# KiCad board testjig.kicad_pcb
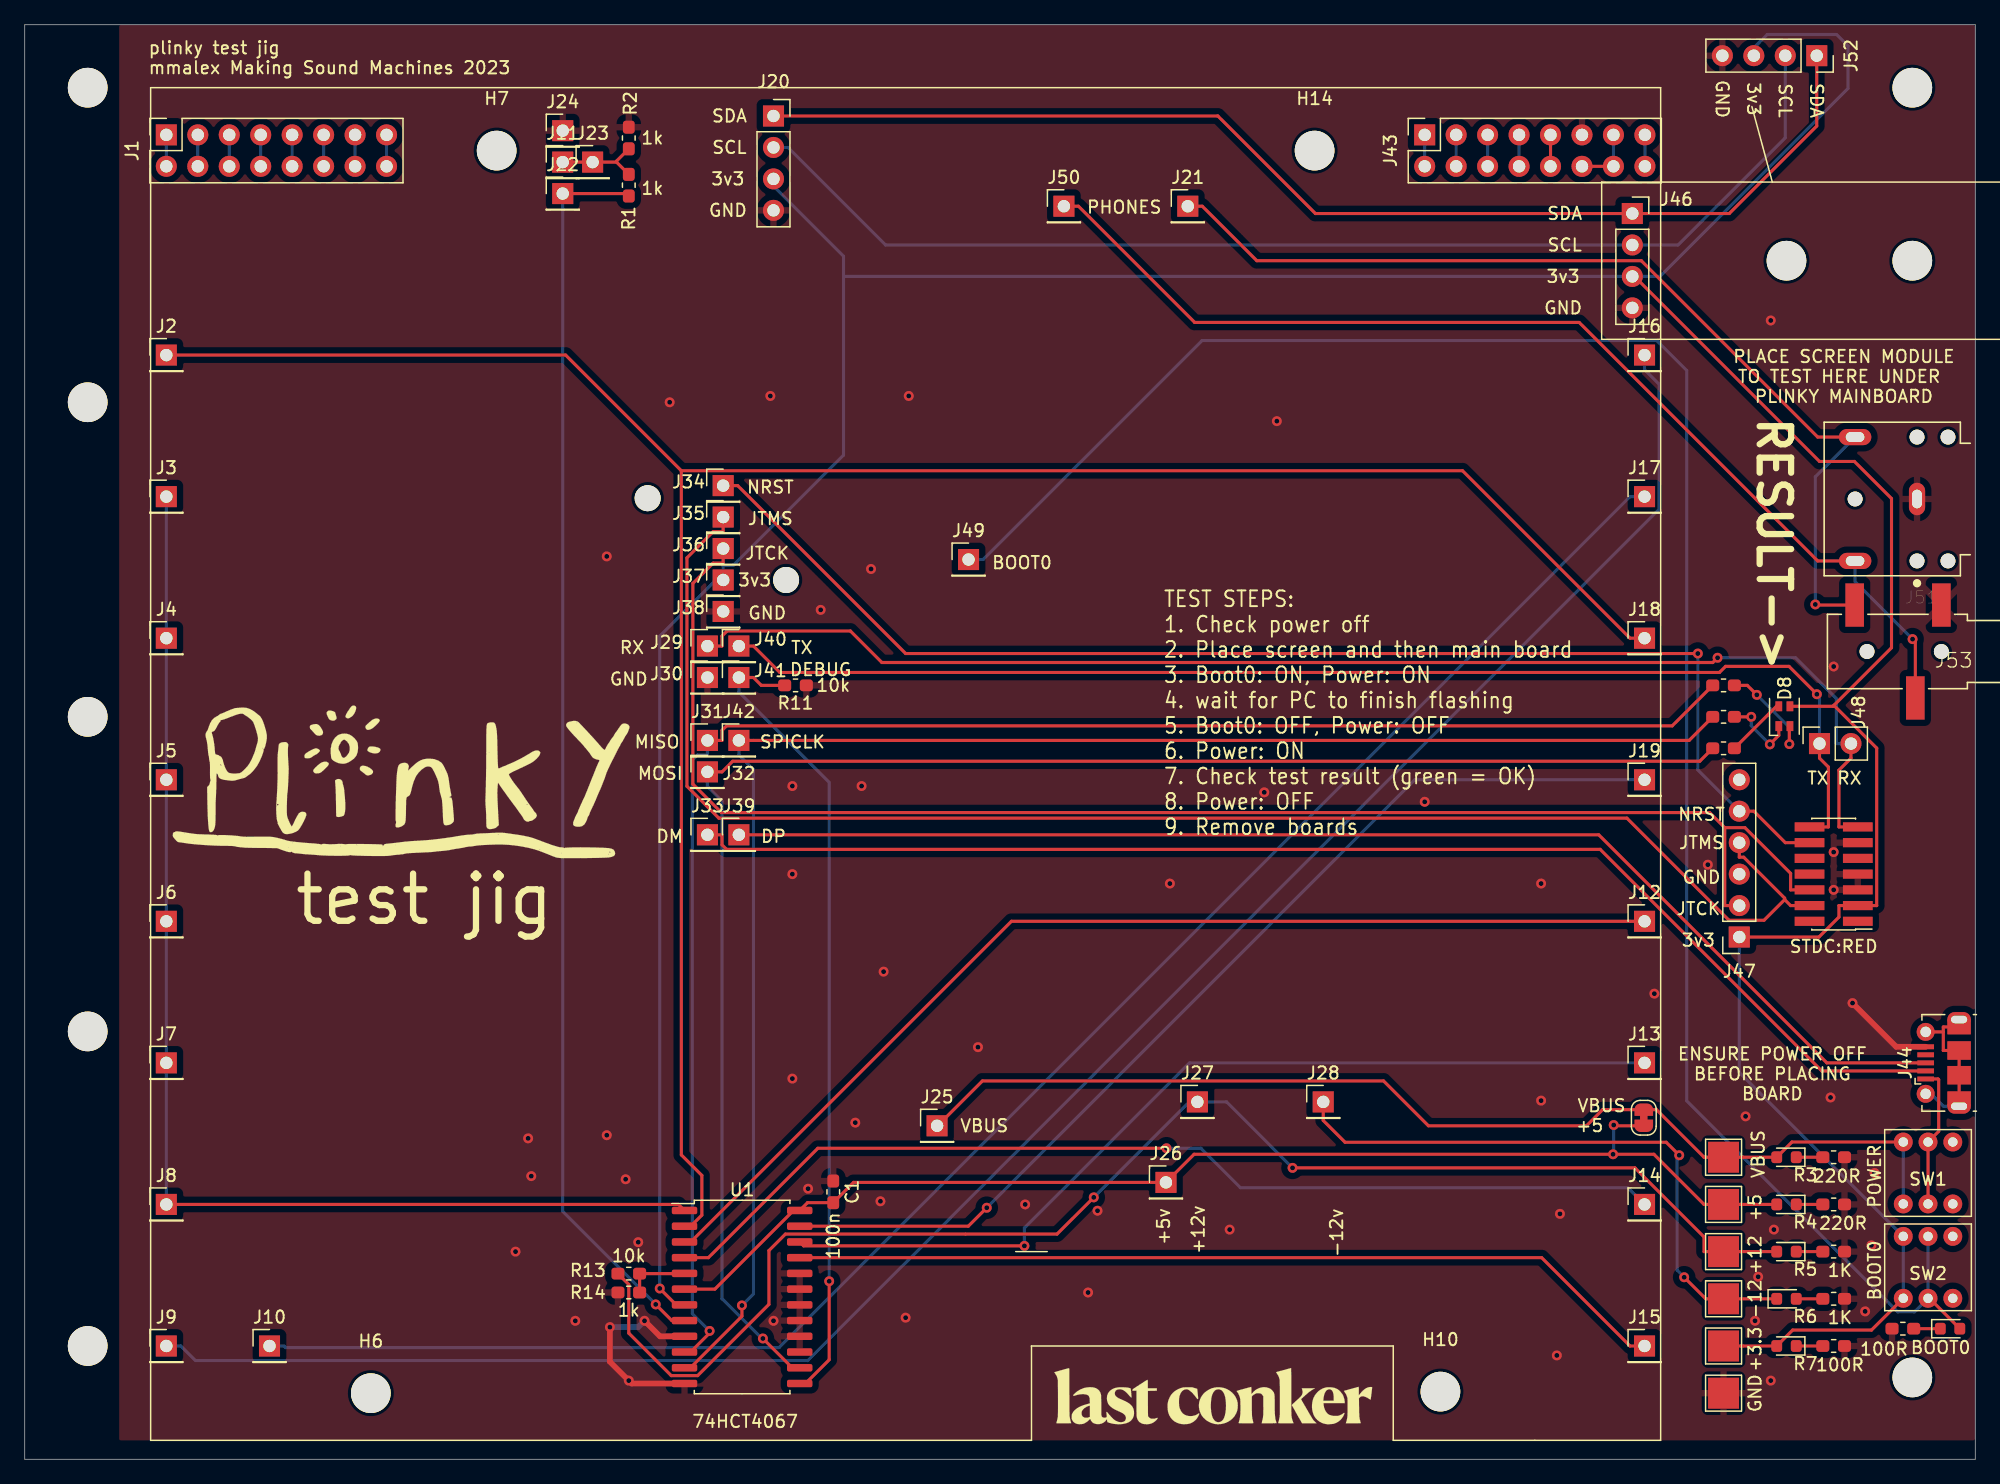
[diagram p0: board, top side]
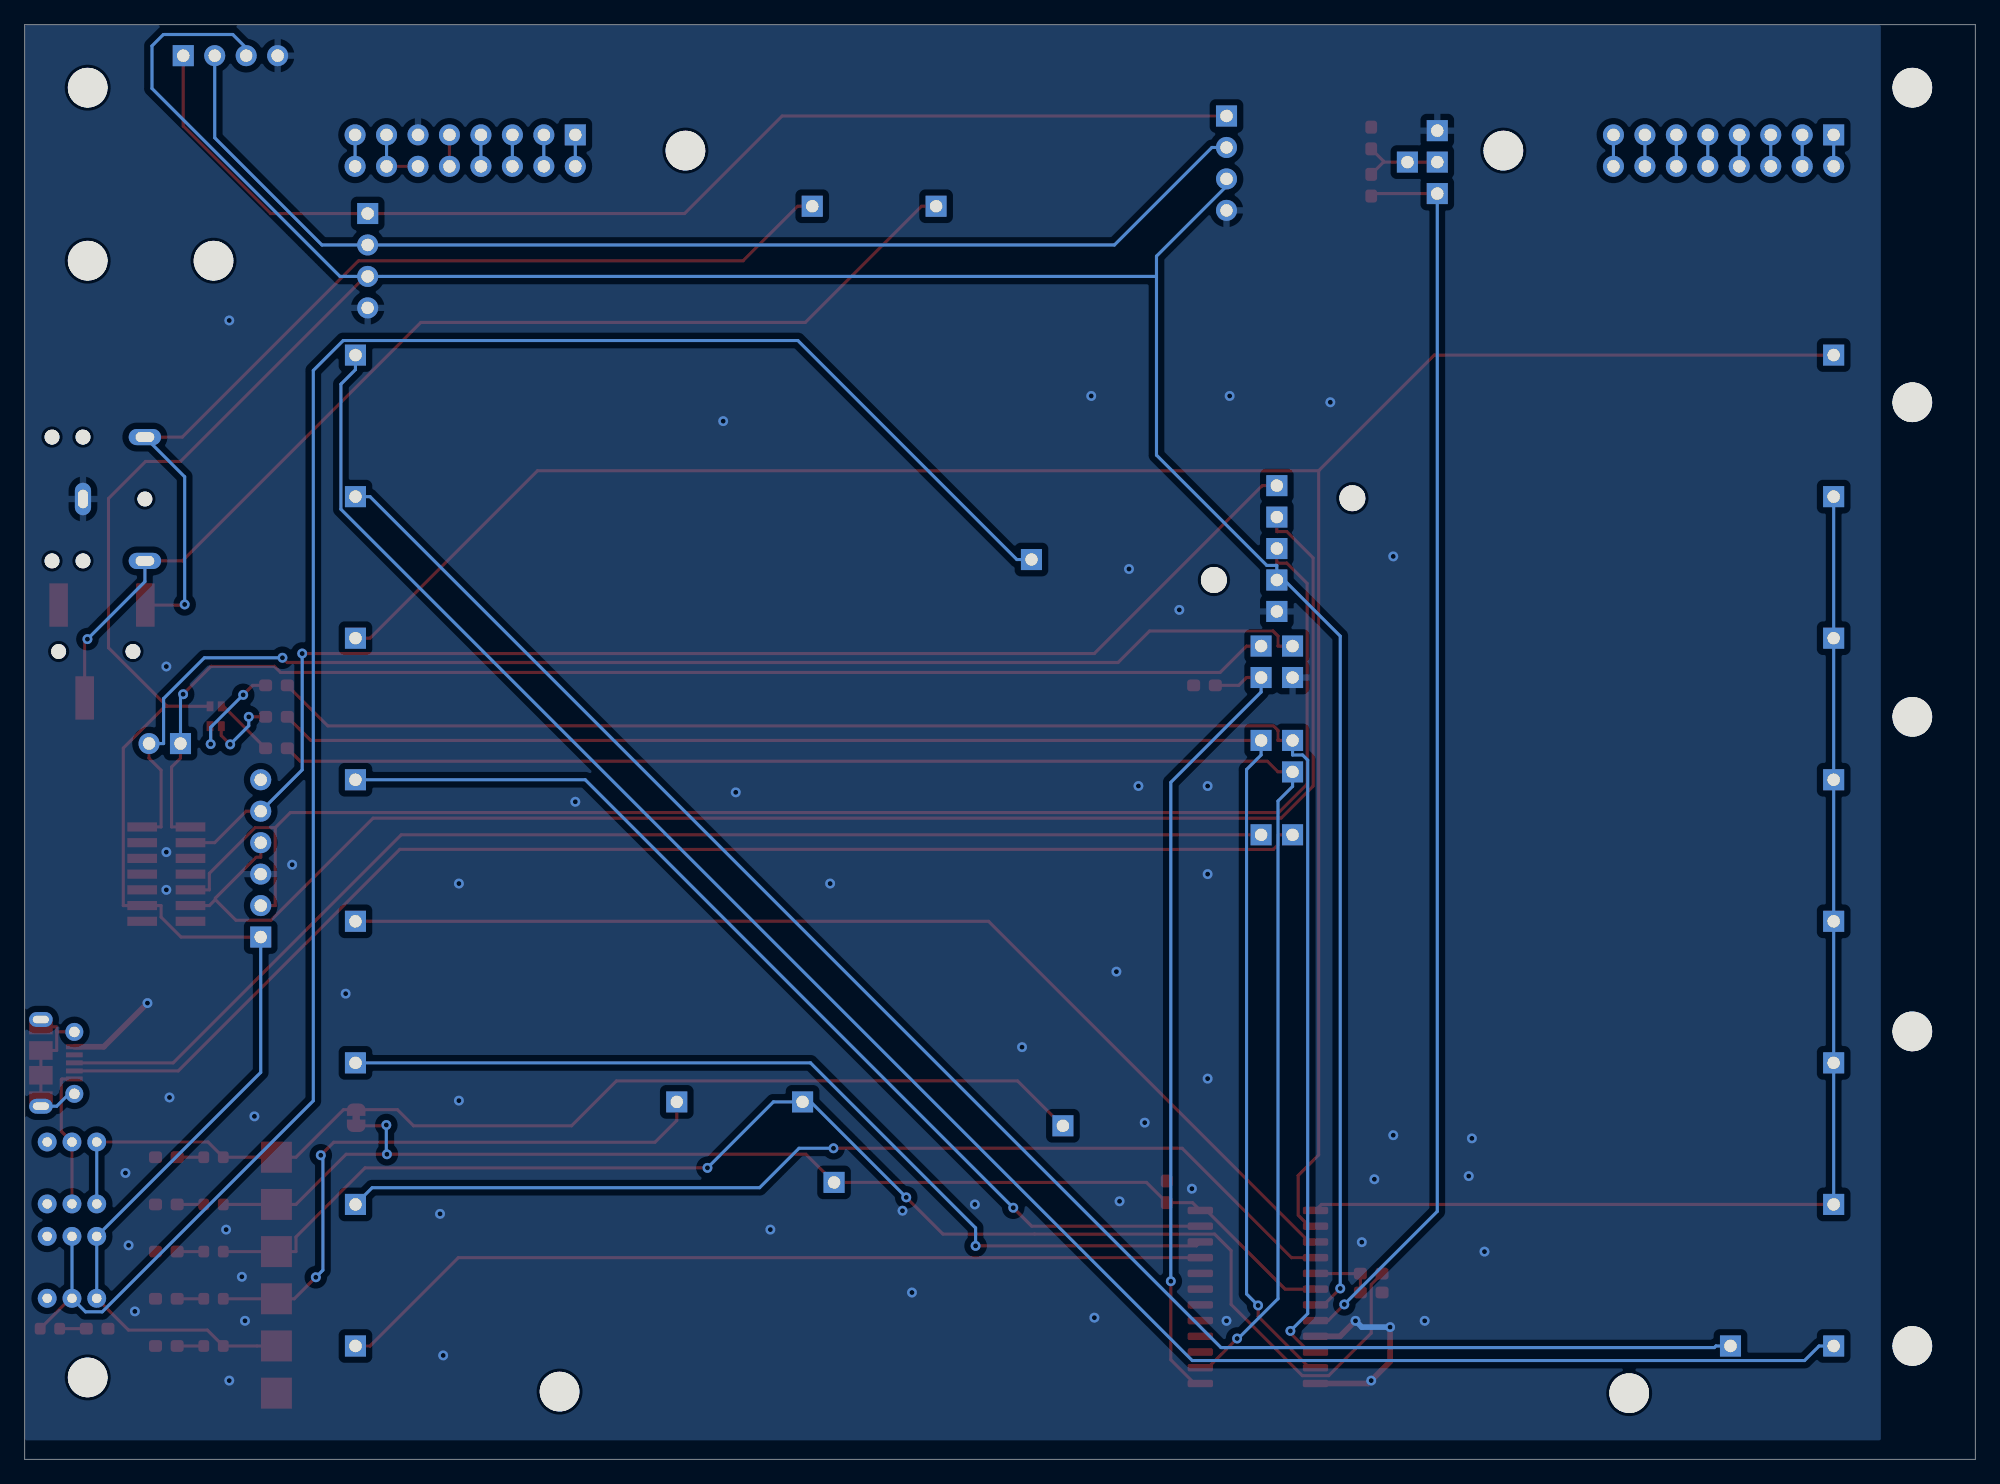
[diagram p1: board, bottom side, seen from below]

Outline 157.48 x 115.82 mm; copper layers: Top, Bottom. Coordinates in mm from the lower left corner of the outline.
Outline path: 0,115.82 157.48,115.82 157.48,0 0,0 0,115.82
Stack: Top 0.035mm / dielectric 1.51mm FR4 er 4.5 / Bottom 0.035mm

## Placement (name value [footprint] x y rotation side)
C1  100n  [C_0603_1608Metric_Pad1.05x0.95mm_HandSolder]  65.28 21.59 90 top
D1  LED  [LED_0603_1608Metric]  142.24 24.38 180 top
D2  LED  [LED_0603_1608Metric]  142.24 20.57 180 top
D3  LED  [LED_0603_1608Metric]  142.24 16.76 180 top
D4  LED  [LED_0603_1608Metric]  142.24 12.95 0 top
D5  LED  [LED_0603_1608Metric]  142.24 9.14 180 top
D7  LED  [LED_0603_1608Metric]  155.45 10.54 0 top
D8  ASMB-MTB1-0A3A2  [C264508_Everlight]  142.07 59.99 90 top
G***  LOGO  [lastconker]  96.08 4.95 0 top
H1  MountingHole  [MountingHole_3.2mm_M3]  5.08 110.74 0 top
H2  MountingHole  [MountingHole_3.2mm_M3]  5.08 85.34 0 top
H3  MountingHole  [MountingHole_3.2mm_M3]  5.08 59.94 0 top
H4  MountingHole  [MountingHole_3.2mm_M3]  5.08 34.54 0 top
H5  MountingHole  [MountingHole_3.2mm_M3]  5.08 9.14 0 top
H6  MountingHole  [MountingHole_3.2mm_M3]  27.94 5.33 0 top
H7  MountingHole  [MountingHole_3.2mm_M3]  38.1 105.66 0 top
H8  -  [MountingHole_2.1mm]  50.29 77.6 0 top
H9  -  [MountingHole_2.1mm]  61.47 70.99 0 top
H10  MountingHole  [MountingHole_3.2mm_M3]  114.3 5.46 0 top
H11  MountingHole  [MountingHole_3.2mm_M3]  152.4 6.6 0 top
H12  MountingHole  [MountingHole_3.2mm_M3]  152.4 96.77 0 top
H12#2  MountingHole  [MountingHole_3.2mm_M3]  142.24 96.77 0 top
H13  MountingHole  [MountingHole_3.2mm_M3]  152.4 110.74 0 top
H14  MountingHole  [MountingHole_3.2mm_M3]  104.14 105.66 0 top
J1  Conn_02x08_Odd_Even  [PinSocket_2x08_P2.54mm_Vertical]  11.43 106.93 90 top
J2  Conn_01x01  [PinHeader_1x01_P2.54mm_Vertical]  11.43 89.15 0 top
J3  Conn_01x01  [PinHeader_1x01_P2.54mm_Vertical]  11.43 77.72 0 top
J4  Conn_01x01  [PinHeader_1x01_P2.54mm_Vertical]  11.43 66.29 0 top
J5  Conn_01x01  [PinHeader_1x01_P2.54mm_Vertical]  11.43 54.86 0 top
J6  Conn_01x01  [PinHeader_1x01_P2.54mm_Vertical]  11.43 43.43 0 top
J7  Conn_01x01  [PinHeader_1x01_P2.54mm_Vertical]  11.43 32 0 top
J8  Conn_01x01  [PinHeader_1x01_P2.54mm_Vertical]  11.43 20.57 0 top
J9  Conn_01x01  [PinHeader_1x01_P2.54mm_Vertical]  11.43 9.14 0 top
J10  Conn_01x01  [PinHeader_1x01_P2.54mm_Vertical]  19.76 9.14 0 top
J11  Conn_01x01  [PinHeader_1x01_P2.54mm_Vertical]  43.43 104.74 0 top
J12  Conn_01x01  [PinHeader_1x01_P2.54mm_Vertical]  130.78 43.43 0 top
J13  Conn_01x01  [PinHeader_1x01_P2.54mm_Vertical]  130.78 32 0 top
J14  Conn_01x01  [PinHeader_1x01_P2.54mm_Vertical]  130.78 20.57 0 top
J15  Conn_01x01  [PinHeader_1x01_P2.54mm_Vertical]  130.78 9.14 0 top
J16  Conn_01x01  [PinHeader_1x01_P2.54mm_Vertical]  130.78 89.15 0 top
J17  Conn_01x01  [PinHeader_1x01_P2.54mm_Vertical]  130.78 77.72 0 top
J18  Conn_01x01  [PinHeader_1x01_P2.54mm_Vertical]  130.78 66.29 0 top
J19  Conn_01x01  [PinHeader_1x01_P2.54mm_Vertical]  130.78 54.86 0 top
J20  Conn_01x04_Female  [PinSocket_1x04_P2.54mm_Vertical]  60.45 108.46 0 top
J21  Conn_01x01  [PinHeader_1x01_P2.54mm_Vertical]  93.9 101.17 0 top
J22  Conn_01x01  [PinHeader_1x01_P2.54mm_Vertical]  43.43 102.2 0 top
J23  Conn_01x01  [PinHeader_1x01_P2.54mm_Vertical]  45.85 104.74 0 top
J24  Conn_01x01  [PinHeader_1x01_P2.54mm_Vertical]  43.43 107.28 0 top
J25  Conn_01x01  [PinHeader_1x01_P2.54mm_Vertical]  73.66 26.92 0 top
J26  Conn_01x01  [PinHeader_1x01_P2.54mm_Vertical]  92.14 22.35 0 top
J27  Conn_01x01  [PinHeader_1x01_P2.54mm_Vertical]  94.68 28.85 0 top
J28  Conn_01x01  [PinHeader_1x01_P2.54mm_Vertical]  104.84 28.85 0 top
J29  Conn_01x01  [PinHeader_1x01_P2.54mm_Vertical]  55.12 65.66 0 top
J30  Conn_01x01  [PinHeader_1x01_P2.54mm_Vertical]  55.12 63.12 0 top
J31  Conn_01x01  [PinHeader_1x01_P2.54mm_Vertical]  55.12 58.04 0 top
J32  Conn_01x01  [PinHeader_1x01_P2.54mm_Vertical]  55.12 55.5 0 top
J33  Conn_01x01  [PinHeader_1x01_P2.54mm_Vertical]  55.12 50.42 0 top
J34  Conn_01x01  [PinHeader_1x01_P2.54mm_Vertical]  56.39 78.61 0 top
J35  Conn_01x01  [PinHeader_1x01_P2.54mm_Vertical]  56.39 76.07 0 top
J36  Conn_01x01  [PinHeader_1x01_P2.54mm_Vertical]  56.39 73.53 0 top
J37  Conn_01x01  [PinHeader_1x01_P2.54mm_Vertical]  56.39 70.99 0 top
J38  Conn_01x01  [PinHeader_1x01_P2.54mm_Vertical]  56.39 68.45 0 top
J39  Conn_01x01  [PinHeader_1x01_P2.54mm_Vertical]  57.66 50.42 0 top
J40  Conn_01x01  [PinHeader_1x01_P2.54mm_Vertical]  57.66 65.66 0 top
J41  Conn_01x01  [PinHeader_1x01_P2.54mm_Vertical]  57.66 63.12 0 top
J42  Conn_01x01  [PinHeader_1x01_P2.54mm_Vertical]  57.66 58.04 0 top
J43  Conn_02x08_Odd_Even  [PinSocket_2x08_P2.54mm_Vertical]  113.03 106.93 90 top
J44  USB_B_Micro  [USB_Micro-B_Molex-105017-0001]  154.94 32 90 top
J45  Conn_02x07_Odd_Even  [PinHeader_2x07_P1.27mm_Vertical_SMD]  146.05 47.24 180 top
J46  Conn_01x04_Female  [PinSocket_1x04_P2.54mm_Vertical]  129.79 100.58 0 top
J47  Conn_01x06_Female  [PinSocket_1x06_P2.54mm_Vertical]  138.43 42.16 180 top
J48  Conn_01x02_Female  [PinSocket_1x02_P2.54mm_Vertical]  144.91 57.79 90 top
J49  Conn_01x01  [PinHeader_1x01_P2.54mm_Vertical]  76.2 72.64 0 top
J50  Conn_01x01  [PinHeader_1x01_P2.54mm_Vertical]  83.9 101.17 0 top
J51  SJ1-3523N-cap  [CUI_SJ1-3523N]  152.78 77.53 180 top
J52  Conn_01x04_Female  [PinSocket_1x04_P2.54mm_Vertical]  144.68 113.33 270 top
J53  PJ-320B  [LUOYANG-DISHANG_PJ-320B]  154.74 65.22 180 top
JP1  SolderJumper_2_Bridged  [SolderJumper-2_P1.3mm_Bridged_RoundedPad1.0x1.5mm]  130.72 27.57 90 top
LOGO  LOGO  [plinkylogo]  30.23 55.12 0 top
R1  10k  [R_0603_1608Metric_Pad1.05x0.95mm_HandSolder]  48.77 102.87 270 top
R2  10k  [R_0603_1608Metric_Pad1.05x0.95mm_HandSolder]  48.77 106.68 270 top
R3  220  [R_0603_1608Metric_Pad1.05x0.95mm_HandSolder]  146.05 24.38 180 top
R4  220  [R_0603_1608Metric_Pad1.05x0.95mm_HandSolder]  146.05 20.57 180 top
R5  1k  [R_0603_1608Metric_Pad1.05x0.95mm_HandSolder]  146.05 16.76 180 top
R6  1k  [R_0603_1608Metric_Pad1.05x0.95mm_HandSolder]  146.05 12.95 180 top
R7  100  [R_0603_1608Metric_Pad1.05x0.95mm_HandSolder]  146.05 9.14 180 top
R8  100  [R_0603_1608Metric_Pad1.05x0.95mm_HandSolder]  137.16 62.48 180 top
R9  100  [R_0603_1608Metric_Pad1.05x0.95mm_HandSolder]  137.16 59.94 180 top
R10  100  [R_0603_1608Metric_Pad1.05x0.95mm_HandSolder]  137.16 57.4 180 top
R11  10k  [R_0603_1608Metric_Pad1.05x0.95mm_HandSolder]  62.23 62.48 180 top
R12  100  [R_0603_1608Metric_Pad1.05x0.95mm_HandSolder]  151.64 10.54 0 top
R13  10k  [R_0603_1608Metric_Pad1.05x0.95mm_HandSolder]  48.77 14.99 180 top
R14  1k  [R_0603_1608Metric_Pad1.05x0.95mm_HandSolder]  48.77 13.46 0 top
SW1  SW_Push_DPDT  [dpdt 7mm]  153.67 23.11 0 top
SW2  SW_Push_DPDT  [dpdt 7mm]  153.67 15.49 0 top
TP1  TestPoint  [TestPoint_Pad_2.5x2.5mm]  137.16 24.38 0 top
TP2  TestPoint  [TestPoint_Pad_2.5x2.5mm]  137.16 20.57 0 top
TP3  TestPoint  [TestPoint_Pad_2.5x2.5mm]  137.16 16.76 0 top
TP4  TestPoint  [TestPoint_Pad_2.5x2.5mm]  137.16 12.95 0 top
TP5  TestPoint  [TestPoint_Pad_2.5x2.5mm]  137.16 9.14 0 top
TP6  TestPoint  [TestPoint_Pad_2.5x2.5mm]  137.16 5.33 0 top
U1  CD74HC4067M  [SOIC-24W_7.5x15.4mm_P1.27mm]  57.92 13.1 0 top

## Library data of the parts
C1 = -: Description: Unpolarized capacitor
D1-D5 D7 = -: Description: Light emitting diode
D8 = -: Description: Tricolor Black Surface LED, Common Anode Pin 4, PLCC-4
J1 J43 = -: Description: Generic connector, double row, 02x08, odd/even pin numbering scheme (row 1 odd numbers, row 2 even numbers), script generated (kicad-library-utils/schlib/autogen/connector/)
J2-J19 J21-J42 J49 J50 = -: Description: Generic connector, single row, 01x01, script generated (kicad-library-utils/schlib/autogen/connector/)
J45 = -: Description: Generic connector, double row, 02x07, odd/even pin numbering scheme (row 1 odd numbers, row 2 even numbers), script generated (kicad-library-utils/schlib/autogen/connector/)
J51 = -: Field4: CUI; Field5: Manufacturer recommendation
J53 = -: Checked: x; LCSC: C18594
JP1 = -: Description: Solder Jumper, 2-pole, closed/bridged
R1-R14 = -: Description: Resistor
SW1 SW2 = -: Description: Momentary Switch, dual pole double throw
TP1-TP6 = -: Description: test point
U1 = -: Description: High-Speed CMOS Logic 16-Channel Analog Multiplexer/Demultiplexer, SOIC-24

## Footprints (pads in the part's own frame, mm; a bottom-side part is the same pattern mirrored in y, then rotated)
C264508_Everlight
  rect 0.8x0.55 smd: 1(-0.8,-0.45) 2(-0.8,0.45) 3(0.8,0.45) 4(0.8,-0.45)
C_0603_1608Metric_Pad1.05x0.95mm_HandSolder
  rrect 1.05x0.95 smd: 1(-0.875,0) 2(0.875,0)
CUI_SJ1-3523N
  round 1.2 hole 1.2 unplated: (-2.5,5) (-2.5,-5) (0,5) (0,-5) (5,0)
  oval 1.308x2.616 hole 0.8x1.5: 1(0,0)
  oval 2.616x1.308 hole 1.5x0.8: 2(5,-5) 3(5,5)
dpdt 7mm
  round 1.524 hole 0.762: 1(-2,2.5) 2(0,2.5) 3(2,2.5) 4(-2,-2.5) 5(0,-2.5) 6(2,-2.5)
LED_0603_1608Metric
  rrect 0.875x0.95 smd: 1(-0.787,0) 2(0.787,0)
LUOYANG-DISHANG_PJ-320B
  round 1.2 hole 1.2 unplated: (0,0) (6,0)
  rect 1.5x3.5 smd: 2(7,-3.75) 3(2.1,3.75) 4(0,-3.75)
MountingHole_2.1mm
  round 2.1 hole 2.1 unplated: (0,0)
MountingHole_3.2mm_M3
  round 3.2 hole 3.2 unplated: (0,0)
PinHeader_1x01_P2.54mm_Vertical
  rect 1.7x1.7 hole 1: 1(0,0)
PinHeader_2x07_P1.27mm_Vertical_SMD
  rect 2.4x0.74 smd: 1(-1.95,3.81) 2(1.95,3.81) 3(-1.95,2.54) 4(1.95,2.54) 5(-1.95,1.27) 6(1.95,1.27) 7(-1.95,0) 8(1.95,0) 9(-1.95,-1.27) 10(1.95,-1.27) 11(-1.95,-2.54) 12(1.95,-2.54) 13(-1.95,-3.81) 14(1.95,-3.81)
PinSocket_1x02_P2.54mm_Vertical
  rect 1.7x1.7 hole 1: 1(0,0)
  oval 1.7x1.7 hole 1: 2(0,-2.54)
PinSocket_1x04_P2.54mm_Vertical
  rect 1.7x1.7 hole 1: 1(0,0)
  oval 1.7x1.7 hole 1: 2(0,-2.54) 3(0,-5.08) 4(0,-7.62)
PinSocket_1x06_P2.54mm_Vertical
  rect 1.7x1.7 hole 1: 1(0,0)
  oval 1.7x1.7 hole 1: 2(0,-2.54) 3(0,-5.08) 4(0,-7.62) 5(0,-10.16) 6(0,-12.7)
PinSocket_2x08_P2.54mm_Vertical
  rect 1.7x1.7 hole 1: 1(0,0)
  oval 1.7x1.7 hole 1: 2(-2.54,0) 3(0,-2.54) 4(-2.54,-2.54) 5(0,-5.08) 6(-2.54,-5.08) 7(0,-7.62) 8(-2.54,-7.62) 9(0,-10.16) 10(-2.54,-10.16) 11(0,-12.7) 12(-2.54,-12.7) 13(0,-15.24) 14(-2.54,-15.24) 15(0,-17.78) 16(-2.54,-17.78)
R_0603_1608Metric_Pad1.05x0.95mm_HandSolder
  rrect 1.05x0.95 smd: 1(-0.875,0) 2(0.875,0)
SOIC-24W_7.5x15.4mm_P1.27mm
  rrect 2.05x0.6 smd: 1(-4.65,6.985) 2(-4.65,5.715) 3(-4.65,4.445) 4(-4.65,3.175) 5(-4.65,1.905) 6(-4.65,0.635) 7(-4.65,-0.635) 8(-4.65,-1.905) 9(-4.65,-3.175) 10(-4.65,-4.445) 11(-4.65,-5.715) 12(-4.65,-6.985) 13(4.65,-6.985) 14(4.65,-5.715) 15(4.65,-4.445) 16(4.65,-3.175) 17(4.65,-1.905) 18(4.65,-0.635) 19(4.65,0.635) 20(4.65,1.905) 21(4.65,3.175) 22(4.65,4.445) 23(4.65,5.715) 24(4.65,6.985)
SolderJumper-2_P1.3mm_Bridged_RoundedPad1.0x1.5mm
  custom 1x1.5 smd: 1(-0.65,0) 2(0.65,0)
TestPoint_Pad_2.5x2.5mm
  rect 2.5x2.5 smd: 1(0,0)
USB_Micro-B_Molex-105017-0001
  rect 0.4x1.35 smd: 1(-1.3,1.462) 2(-0.65,1.462) 3(0,1.462) 4(0.65,1.462) 5(1.3,1.462)
  oval 1.2x1.9 hole 0.6x1.3: 6(-3.5,-1.238) 6(3.5,-1.238)
  rect 1.2x1.9 smd: 6(-2.9,-1.238) 6(2.9,-1.238)
  round 1.45 hole 0.85: 6(-2.5,1.462) 6(2.5,1.462)
  rect 1.5x1.9 smd: 6(-1,-1.238) 6(1,-1.238)

## Nets
5V: C1.1 D2.2 J26.1 JP1.1 TP2.1 U1.6 U1.24
+3V3: D5.2 D8.4 J20.3 J37.1 J45.3 J46.3 J47.1 J52.3 SW2.1 SW2.4 TP5.1 U1.7
+12v: D3.2 J27.1 R13.2 TP3.1
-12v: D4.1 J28.1 TP4.1
GND: C1.2 J20.4 J24.1 J30.1 J38.1 J43.11 J44.5 J45.5 J45.7 J45.11 J46.4 J47.3 J51.1 J52.4 J53.4 R2.1 R3.1 R4.1 R5.1 R6.1 R7.1 R11.1 R12.1 R14.1 TP6.1 U1.9 U1.12 U1.15 U1.16 U1.17 U1.18 U1.19 U1.20
VBUS: D1.2 J25.1 JP1.2 SW1.1 SW1.4 TP1.1
VBUSE: J44.1 SW1.2 SW1.5
ANAIN: J3.1 J4.1 J5.1 J6.1 J7.1 J8.1 U1.1
BOOT0: D7.2 J49.1 SW2.2 SW2.5
CLOCK: J2.1 J18.1 U1.2
DEBUG: J41.1 R11.2 U1.13
DM: J33.1 J44.2
DP: J39.1 J44.3
GATE: J13.1 U1.22
IO1: J31.1 R8.2 U1.10
IO2: J42.1 R9.2 U1.11
IO3: J32.1 R10.2 U1.14
JTCK: J36.1 J45.6 J47.2
JTDI: J45.10
JTMS: J35.1 J45.4 J47.4
NRST: J34.1 J45.12 J47.5
PHI: J12.1 U1.3
PLO: J14.1 U1.4
PRESSURE: J15.1 U1.21
RX: J29.1 J45.13 J48.2
SCL: J20.2 J46.2 J52.2
SDA: J20.1 J46.1 J52.1
Test_HP_L: J21.1 J51.2 J53.2
Test_HP_R: J50.1 J51.3 J53.3
TRIGGER: J19.1 U1.23
TX: J40.1 J45.14 J48.1
VMID: J11.1 J23.1 R1.1 R2.2
VREF: J22.1 R1.2 U1.8
Net-(D1-K): D1.1 R3.2
Net-(D2-K): D2.1 R4.2
Net-(D3-K): D3.1 R5.2
Net-(D4-A): D4.2 R6.2
Net-(D5-K): D5.1 R7.2
Net-(D7-K): D7.1 R12.2
Net-(D8-BK): D8.3 R10.1
Net-(D8-GK): D8.2 R9.1
Net-(D8-RK): D8.1 R8.1
Net-(J1-Pin_1): J1.1 J1.2
Net-(J1-Pin_3): J1.3 J1.4
Net-(J1-Pin_5): J1.5 J1.6
Net-(J1-Pin_7): J1.7 J1.8
Net-(J1-Pin_10): J1.9 J1.10
Net-(J1-Pin_11): J1.11 J1.12
Net-(J1-Pin_13): J1.13 J1.14
Net-(J1-Pin_15): J1.15 J1.16
Net-(J10-Pin_1): J10.1 J17.1
Net-(J16-Pin_1): J9.1 J16.1
Net-(J43-Pin_1): J43.1 J43.2
Net-(J43-Pin_3): J43.3 J43.4
Net-(J43-Pin_5): J43.5 J43.6
Net-(J43-Pin_7): J43.7 J43.8
Net-(J43-Pin_10): J43.9 J43.10
Net-(J43-Pin_12): J43.12 J43.13 J43.14
Net-(J43-Pin_15): J43.15 J43.16
Net-(U1-I4): R13.1 R14.2 U1.5

Pads without a net: J44 4 6; J45 1 2 8 9; J47 6; SW1 3 6; SW2 3 6

## Via types
v1: diameter 0.8, hole 0.4, Top to Bottom, 79 vias

## Routing (per net, layer and track width the routed paths; a pad name or vN(x,y) marks a point on that pad's centre or on a via; arc(x,y) is an arc through that point)
5V: length 99.2
  Top w0.25: v1(128.29,26.98) 128.35,26.92 JP1.1 ; D2.2 TP2.1 135.58,20.57 131.53,24.62 v1(128.24,24.62) 94.41,24.62 J26.1 66.92,22.35 C1.1 63.2,20.72 U1.24 62.07,20.09 55.72,13.73 U1.6
  Bottom w0.25: v1(128.29,26.98) 128.29,24.67 v1(128.24,24.62)
+3V3: length 333.2
  Top w0.25: 146.07,60.87 145.99,60.79 D8.4 ; 146.07,60.87 150.72,65.52 150.72,77.57 147.72,80.56 144.91,80.56 129.97,95.5 J46.3 ; 146.07,60.87 149.53,57.42 149.53,44.7 J45.3 146.47,44.7 146.47,43.77 144.86,42.16 J47.1 ; SW2.4 149.1,10.43 142.74,10.43 D5.2 TP5.1 ; v1(51.27,13.79) 52.59,12.47 U1.7
  Bottom w0.25: 66.11,95.5 66.11,81.08 57.2,72.17 56.39,72.17 56.39,71.58 ; 66.11,95.5 66.11,97.14 60.45,102.79 J20.3 ; 66.11,95.5 J46.3 132.03,95.5 147.21,110.68 147.21,114.11 146.28,115.04 140.69,115.04 139.6,113.96 J52.3 ; 56.39,71.58 J37.1 ; 56.39,71.58 51.27,66.46 v1(51.27,13.79) ; J47.1 138.43,31.23 SW2.1 SW2.4
+12v: length 116.7
  Top w0.25: v1(102.36,23.53) 130,23.53 135.58,17.95 135.58,16.76 TP3.1 D3.2 ; R13.2 48.77,14.11 48.77,10.18 52.2,6.75 54.33,6.75 60.08,12.5 60.08,16.85 61.41,18.18 83.35,18.18 v1(86.31,21.14)
  Bottom w0.25: v1(86.31,21.14) 94.02,28.85 J27.1 97.04,28.85 v1(102.36,23.53)
-12v: length 49.8
  Top w0.25: v1(133.98,14.69) 135.72,12.95 TP4.1 D4.1 ; v1(133.58,24.54) 132.53,25.59 106.6,25.59 104.84,27.35 J28.1
  Bottom w0.25: v1(133.98,14.69) 133.41,15.26 133.41,24.37 v1(133.58,24.54)
GND: length 23.7
  Top w0.457: v1(50.04,11.18) 51.29,9.93 U1.9 ; J44.5 151.1,33.3 v1(147.57,36.83) ; v1(47.24,10.67) 47.24,7.87 v1(48.77,6.35) 49,6.12 U1.12
  Bottom w0.457: v1(50.04,11.18) 49.53,10.67 v1(47.24,10.67)
  vias: v1(39.62,16.76) v1(40.64,25.91) v1(40.89,22.86) v1(44.45,11.18) v1(46.99,72.9) v1(46.99,26.16) v1(48.51,22.61) v1(49.53,17.53) v1(52.07,85.34) v1(60.2,85.85) v1(60.45,11.18) v1(61.98,54.36) v1(61.98,47.24) v1(61.98,30.73) v1(63.25,21.84) v1(64.26,68.58) v1(67.06,27.18) v1(67.56,54.36) v1(68.33,71.88) v1(69.09,20.83) v1(69.34,39.37) v1(71.12,11.43) v1(71.37,85.85) v1(76.96,33.27) v1(80.77,20.57) v1(85.85,13.46) v1(86.61,20.07) v1(92.46,46.48) v1(97.28,18.54) v1(100.08,53.85) v1(101.09,83.82) v1(113.03,53.09) v1(122.43,46.48) v1(122.43,28.96) v1(123.7,8.38) v1(123.95,19.81) v1(131.57,37.59) v1(135.89,48.01) v1(138.94,27.69) v1(139.7,11.18) v1(139.95,14.73) v1(140.97,91.95) v1(140.97,6.35) v1(141.22,18.54) v1(145.8,29.21) v1(146.05,64.01) v1(146.05,49.02) v1(146.05,45.97) v1(148.59,11.94) v1(149.1,17.27) v1(149.35,23.11)
VBUS: length 88.6
  Top w0.25: SW1.1 142.68,25.61 D1.2 TP1.1 135.58,24.38 131.74,28.22 JP1.2 127.39,28.22 126.09,26.92 113.33,26.92 109.71,30.54 77.32,30.54 73.7,26.92 J25.1
  Bottom w0.25: SW1.1 SW1.4
VBUSE: length 11.5
  Top w0.25: J44.1 154.48,30.7 154.53,30.65 154.53,26.47 SW1.2 SW1.5
ANAIN: length 99.2
  Top w0.25: J8.1 52.78,20.57 U1.1
  Bottom w0.25: J8.1 J7.1 J6.1 J5.1 J4.1 J3.1
BOOT0: length 160.9
  Top w0.25: SW2.5 153.78,12.99 D7.2
  Bottom w0.25: SW2.2 SW2.5 152.58,11.9 151.22,11.9 134.18,28.94 134.18,87.91 131.76,90.33 95.06,90.33 77.38,72.64 J49.1
CLOCK: length 191.4
  Top w0.25: J18.1 129.6,66.29 116.08,79.81 53.01,79.81 ; U1.2 53.77,18.82 54.67,19.71 54.67,22.92 53.01,24.57 53.01,79.81 ; 53.01,79.81 43.67,89.15 J2.1
DEBUG: length 65.2
  Top w0.25: v1(64.95,14.37) 64.95,8.03 63.03,6.12 U1.13 ; J41.1 58.83,63.12 59.47,62.48 R11.2
  Bottom w0.25: J41.1 57.66,61.94 64.95,54.65 v1(64.95,14.37)
DM: length 106.7
  Top w0.25: J33.1 56.29,50.42 56.29,49.61 56.66,49.24 127.2,49.24 145.09,31.35 J44.2
DP: length 103.4
  Top w0.25: J39.1 127.08,50.42 145.5,32 J44.3
GATE: length 75.3
  Top w0.25: v1(80.71,17.23) 62.89,17.23 62.57,17.55
  Bottom w0.25: J13.1 94.04,32 80.71,18.68 v1(80.71,17.23)
IO1: length 135.5
  Top w0.25: v1(55.29,10.36) 55.29,10.19 53.76,8.66 U1.10 ; R8.2 133.02,59.21 56.66,59.21 56.29,58.85 56.29,58.04 J31.1
  Bottom w0.25: J31.1 55.12,56.86 54.31,56.86 53.9,56.45 53.9,11.76 v1(55.29,10.36)
IO2: length 133.1
  Top w0.25: v1(57.9,12.42) 57.9,11.55 53.74,7.39 U1.11 ; J42.1 134.38,58.04 R9.2
  Bottom w0.25: v1(57.9,12.42) 58.83,13.35 58.83,55.69 57.66,56.86 J42.1
IO3: length 133.6
  Top w0.25: J32.1 56.29,55.5 57.15,56.36 135.24,56.36 R10.2 ; v1(59.6,9.75) 61.96,7.39 U1.14
  Bottom w0.25: J32.1 55.12,54.32 56.29,53.15 56.29,12.96 59.51,9.75 v1(59.6,9.75)
JTCK: length 122.4
  Top w0.25: J45.6 142.57,45.97 142.57,47.3 138.88,51 137.25,51 ; J47.2 137.25,44.7 137.25,51 ; 137.25,51 136.04,52.21 56.24,52.21 53.94,54.51 53.94,70.72 55.58,72.36 56.39,72.36 J36.1
JTMS: length 125.8
  Top w0.25: 142.09,45.18 142.09,45.3 138.79,48.61 138.43,48.61 J47.4 ; 142.09,45.18 140.43,43.52 137.6,43.52 129.35,51.76 56.04,51.76 53.46,54.34 53.46,72.78 55.58,74.9 56.39,74.9 J35.1 ; 142.09,45.18 142.57,44.7 J45.4
NRST: length 105.2
  Top w0.25: J34.1 57.56,78.61 71.12,65.06 v1(135.08,65.06) ; J47.5 139.61,52.32 142.15,49.78 J45.12
  Bottom w0.25: v1(135.08,65.06) 135.08,55.66 138.42,52.32 J47.5
PHI: length 88.2
  Top w0.25: 53.27,17.55 53.77,17.55 79.66,43.43 J12.1
PLO: length 83
  Top w0.25: v1(92.18,25.11) 64.03,25.11 55.2,16.28 U1.4
  Bottom w0.25: v1(92.18,25.11) 94.97,25.11 98.15,21.92 129.43,21.92 J14.1
PRESSURE: length 71.2
  Top w0.25: U1.21 122.47,16.28 129.6,9.14 J15.1
RX: length 108.2
  Top w0.25: J45.13 146.47,51.05 146.47,55.64 147.45,56.61 J48.2 ; v1(136.68,64.71) 136.29,64.33 69.21,64.33 66.66,66.87 56.7,66.87 56.29,66.47 56.29,65.66 J29.1
  Bottom w0.25: v1(136.68,64.71) 142.97,64.71 146.27,61.42 146.27,57.79 J48.2
SCL: length 95.2
  Bottom w0.25: J20.2 61.63,105.92 69.5,98.04 J46.2 133.49,98.04 142.14,106.7 J52.2
SDA: length 96.1
  Top w0.25: J20.1 96.33,108.46 104.2,100.58 J46.1 137.62,100.58 144.68,107.65 J52.1
Test_HP_L: length 79.6
  Top w0.25: J21.1 95.08,101.17 99.47,96.77 130.52,96.77 144.76,82.53 J51.2 ; J53.2 144.62,68.97 v1(144.57,69.02)
  Bottom w0.25: v1(144.57,69.02) 144.57,79.32 J51.2
Test_HP_R: length 88.8
  Top w0.25: J51.3 144.76,72.53 125.5,91.79 94.46,91.79 85.08,101.17 J50.1 ; v1(152.42,66.22) 152.64,65.99 J53.3
  Bottom w0.25: v1(152.42,66.22) 147.78,70.86 J51.3
TRIGGER: length 83.1
  Top w0.25: v1(77.67,20.31) 76.18,18.82 U1.23
  Bottom w0.25: J19.1 112.23,54.86 v1(77.67,20.31)
TX: length 101.7
  Top w0.25: J45.14 145.63,51.05 145.63,55.89 144.91,56.61 J48.1 ; J40.1 58.83,65.66 60.97,63.53 136.83,63.53 137.32,64.02 142.44,64.02 v1(144.69,61.77)
  Bottom w0.25: J48.1 144.91,61.56 v1(144.69,61.77)
VMID: length 7.2
  Top w0.25: 47.78,104.74 R1.1 ; 47.78,104.74 47.78,104.81 R2.2 ; 47.78,104.74 J23.1 J11.1
VREF: length 101.1
  Top w0.25: v1(50.94,12.5) 52.25,11.2 U1.8 ; J22.1 48.57,102.2 R1.2
  Bottom w0.25: J22.1 43.43,20.01 v1(50.94,12.5)
Net-(D1-K): length 2.1
  Top w0.25: D1.1 R3.2
Net-(D2-K): length 2.1
  Top w0.25: D2.1 R4.2
Net-(D3-K): length 2.1
  Top w0.25: D3.1 R5.2
Net-(D4-A): length 2.1
  Top w0.25: D4.2 R6.2
Net-(D5-K): length 2.1
  Top w0.25: D5.1 R7.2
Net-(D7-K): length 2.1
  Top w0.25: D7.1 R12.2
Net-(D8-BK): length 5
  Top w0.25: D8.3 141.42,60.79 R10.1
Net-(D8-GK): length 6
  Top w0.25: v1(140.89,57.72) 141.62,58.44 D8.2 ; R9.1 v1(139.39,59.94)
  Bottom w0.25: v1(139.39,59.94) 139.39,59.22 v1(140.89,57.72)
Net-(D8-RK): length 8.7
  Top w0.25: D8.1 142.47,59.14 v1(142.47,57.74) ; R8.1 139.08,62.48 v1(139.84,61.72)
  Bottom w0.25: v1(139.84,61.72) 142.47,59.09 v1(142.47,57.74)
Net-(J1-Pin_1): length 2.5
  Bottom w0.25: J1.1 J1.2
Net-(J1-Pin_3): length 2.5
  Bottom w0.25: J1.3 J1.4
Net-(J1-Pin_5): length 2.5
  Bottom w0.25: J1.5 J1.6
Net-(J1-Pin_7): length 2.5
  Bottom w0.25: J1.7 J1.8
Net-(J1-Pin_10): length 2.5
  Bottom w0.25: J1.9 J1.10
Net-(J1-Pin_11): length 2.5
  Bottom w0.25: J1.11 J1.12
Net-(J1-Pin_13): length 2.5
  Bottom w0.25: J1.13 J1.14
Net-(J1-Pin_15): length 2.5
  Bottom w0.25: J1.15 J1.16
Net-(J10-Pin_1): length 139.5
  Bottom w0.25: J17.1 129.6,77.72 60.9,9.02 21.06,9.02 20.94,9.14 J10.1
Net-(J16-Pin_1): length 162.4
  Bottom w0.25: J9.1 12.61,9.14 13.78,7.97 63.22,7.97 131.96,76.71 131.96,86.8 130.78,87.98 J16.1
Net-(J43-Pin_1): length 2.5
  Bottom w0.25: J43.1 J43.2
Net-(J43-Pin_3): length 2.5
  Bottom w0.25: J43.3 J43.4
Net-(J43-Pin_5): length 2.5
  Bottom w0.25: J43.5 J43.6
Net-(J43-Pin_7): length 2.5
  Bottom w0.25: J43.7 J43.8
Net-(J43-Pin_10): length 2.5
  Top w0.25: J43.9 J43.10
Net-(J43-Pin_12): length 5.1
  Top w0.25: J43.12 J43.14
  Bottom w0.25: J43.13 J43.14
Net-(J43-Pin_15): length 2.5
  Bottom w0.25: J43.15 J43.16
Net-(U1-I4): length 5.2
  Top w0.25: R14.2 R13.1 53.25,14.99 U1.5
unconnected-(J44-Shield-Pad6): length 14.1
  Top w0.25: 154.9,34.5 154.9,34.9 J44.6 J44.6 ; 154.9,34.5 154.9,33 J44.6 J44.6 J44.6 J44.6 ; 154.9,34.5 J44.6
  Bottom w0.25: J44.6 154.9,28.5 153.9,29.5 J44.6

## Copper pours and planes (outline as drawn; the poured copper is in the pictures)
GND on Top: 157.48,1.52 7.62,1.52 7.62,115.82 157.48,115.82
GND on Bottom: 157.48,1.52 7.62,1.52 7.62,115.82 157.48,115.82

## Text on the board
F.Silkscreen: GND | 3v3 | SCL | SDA | plinky test jig / mmalex Making Sound Machines 2023 | RX | 1k | MISO | MOSI | DM | 74HCT4067 | JTCK | NRST | JTMS | DP | SPICLK | TX | DEBUG | VBUS | BOOT0 | PHONES | +5 | ENSURE POWER OFF / BEFORE PLACING / BOARD | STDC:RED | 220R | 1K | 100R | PLACE SCREEN MODULE / TO TEST HERE UNDER / PLINKY MAINBOARD | +5v | +12v | -12v | +12 | -12 | +3.3 | POWER | TEST STEPS: / 1. Check power off / 2. Place screen and then main board / 3. Boot0: ON, Power: ON / 4. wait for PC to finish flashing / 5. Boot0: OFF, Power: OFF / 6. Power: ON / 7. Check test result (green = OK) / 8. Power: OFF / 9. Remove boards | RESULT-> | test jig
